# Altium PCB I2C_Jog_Controller - host_module.pcbdoc (part 4 of 5) (continued)
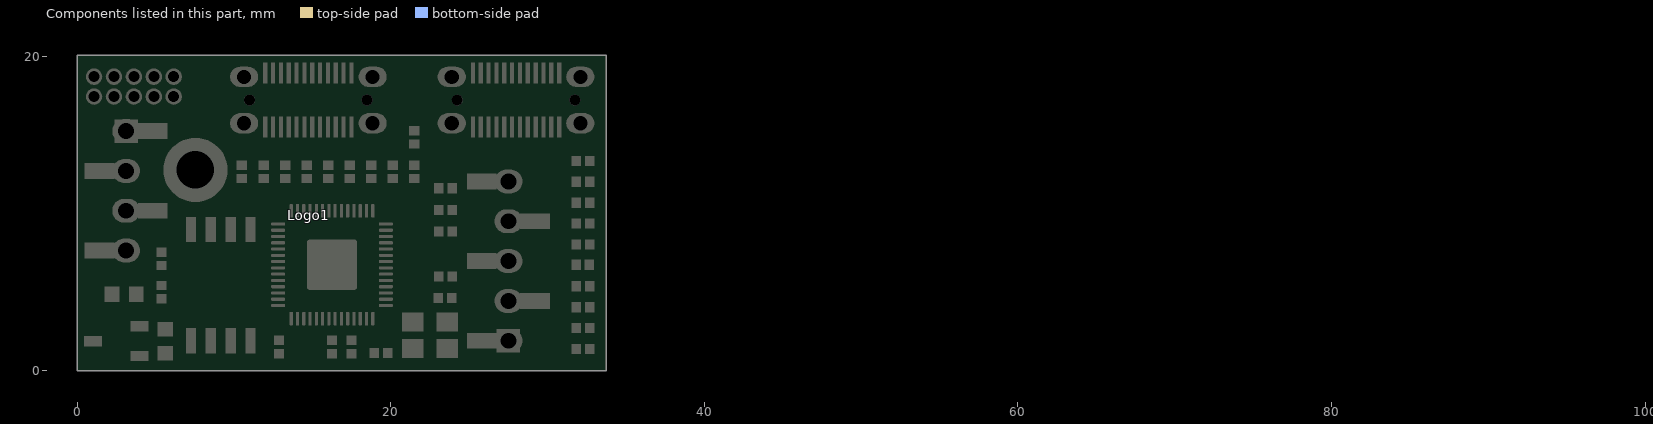
[diagram p6: the components of this part, seen from the top]
## Footprints (in the part's own frame and the unit in brackets; to place one, negate y for a bottom-side part, rotate by r counter-clockwise, add the part's x,y. Pads: shape width x height; smd on the part's side, far side on the other; paste and mask are expansions set on the pad) (continued)
1(-44190.57,-43609.46) 1(-44189.24,-43609.91) 1(-44189.24,-43609.91) 1(-44189.24,-43548.16) 1(-44189.24,-43548.16) 1(-44187.91,-43611.24) 1(-44187.91,-43611.24) 1(-44186.55,-43611.69) 1(-44186.55,-43611.69) 1(-44186.1,-43547.74) 1(-44186.1,-43547.74) 1(-44184.77,-43613.48) 1(-44184.77,-43613.48) 1(-44182.99,-43546.38) 1(-44182.99,-43546.38) 1(-44181.21,-43615.71) 1(-44181.21,-43615.71) 1(-44179.84,-43616.17) 1(-44179.84,-43616.17) 1(-44179.84,-43545.93) 1(-44179.84,-43545.93) 1(-44179.38,-43617.08) 1(-44179.38,-43617.08) 1(-44178.06,-43617.49) 1(-44178.06,-43617.49) 1(-44177.61,-43618.4) 1(-44177.61,-43618.4) 1(-44177.61,-43576.82) 1(-44177.61,-43576.82) 1(-44177.15,-43577.69) 1(-44177.15,-43577.69) 1(-44176.73,-43544.6) 1(-44176.73,-43544.6) 1(-44176.28,-43618.86) 1(-44176.28,-43618.86) 1(-44176.28,-43577.69) 1(-44176.28,-43577.69) 1(-44175.82,-43619.73) 1(-44175.82,-43619.73) 1(-44174.5,-43620.19) 1(-44174.5,-43620.19) 1(-44174.04,-43621.1) 1(-44174.04,-43621.1) 1(-44173.59,-43544.15) 1(-44173.59,-43544.15) 1(-44172.68,-43621.55) 1(-44172.68,-43621.55) 1(-44172.26,-43622.42) 1(-44172.26,-43622.42) 1(-44172.26,-43582.17) 1(-44172.26,-43582.17) 1(-44171.35,-43582.17) 1(-44171.35,-43582.17) 1(-44170.9,-43622.88) 1(-44170.9,-43622.88) 1(-44170.44,-43623.79) 1(-44170.44,-43623.79) 1(-44169.57,-43584.4) 1(-44169.57,-43584.4) 1(-44169.11,-43624.21) 1(-44169.11,-43624.21) 1(-44169.11,-43542.36) 1(-44169.11,-43542.36) 1(-44168.66,-43584.4) 1(-44168.66,-43584.4) 1(-44167.33,-43626.02) 1(-44167.33,-43626.02) 1(-44165.97,-43626.44) 1(-44165.97,-43626.44) 1(-44165.97,-43587.55) 1(-44165.97,-43587.55) 1(-44165.97,-43541.91) 1(-44165.97,-43541.91) 1(-44165.1,-43587.55) 1(-44165.1,-43587.55) 1(-44164.18,-43628.26) 1(-44164.18,-43628.26) 1(-44162.86,-43628.68) 1(-44162.86,-43628.68) 1(-44162.86,-43540.58) 1(-44162.86,-43540.58) 1(-44162.41,-43629.59) 1(-44162.41,-43629.59) 1(-44161.95,-43591.11) 1(-44161.95,-43591.11) 1(-44161.08,-43630.04) 1(-44161.08,-43630.04) 1(-44161.08,-43591.11) 1(-44161.08,-43591.11) 1(-44159.71,-43540.13) 1(-44159.71,-43540.13) 1(-44159.71,-43631.37) 1(-44159.71,-43631.37) 1(-44159.71,-43570.53) 1(-44159.71,-43570.53) 1(-44158.39,-43594.26) 1(-44158.39,-43594.26) 1(-44158.39,-43539.22) 1(-44158.39,-43539.22) 1(-44158.39,-43631.82) 1(-44158.39,-43631.82) 1(-44157.48,-43594.26) 1(-44157.48,-43594.26) 1(-44156.6,-43633.6) 1(-44156.6,-43633.6) 1(-44155.24,-43634.06) 1(-44155.24,-43634.06) 1(-44153.46,-43635.84) 1(-44153.46,-43635.84) 1(-44153.46,-43538.34) 1(-44153.46,-43538.34) 1(-44153,-43599.18) 1(-44153,-43599.18) 1(-44152.13,-43599.18) 1(-44152.13,-43599.18) 1(-44152.13,-43636.3) 1(-44152.13,-43636.3) 1(-44151.68,-43637.2) 1(-44151.68,-43637.2) 1(-44150.77,-43600.97) 1(-44150.77,-43600.97) 1(-44150.32,-43637.62) 1(-44150.32,-43637.62) 1(-44150.32,-43536.98) 1(-44150.32,-43536.98) 1(-44149.9,-43600.97) 1(-44149.9,-43600.97) 1(-44148.98,-43638.99) 1(-44148.98,-43638.99) 1(-44148.07,-43566.51) 1(-44148.07,-43566.51) 1(-44147.66,-43639.44) 1(-44147.66,-43639.44) 1(-44147.2,-43640.31) 1(-44147.2,-43640.31) 1(-44147.2,-43604.08) 1(-44147.2,-43604.08) 1(-44147.2,-43536.56) 1(-44147.2,-43536.56) 1(-44146.3,-43604.08) 1(-44146.3,-43604.08) 1(-44145.84,-43640.77) 1(-44145.84,-43640.77) 1(-44145.84,-43605.44) 1(-44145.84,-43605.44) 1(-44145.42,-43605.44) 1(-44145.42,-43605.44) 1(-44144.51,-43642.1) 1(-44144.51,-43642.1) 1(-44144.05,-43535.2) 1(-44144.05,-43535.2) 1(-44143.19,-43642.55) 1(-44143.19,-43642.55) 1(-44143.19,-43608.13) 1(-44143.19,-43608.13) 1(-44142.28,-43608.13) 1(-44142.28,-43608.13) 1(-44141.82,-43564.73) 1(-44141.82,-43564.73) 1(-44141.37,-43644.33) 1(-44141.37,-43644.33) 1(-44140.95,-43534.74) 1(-44140.95,-43534.74) 1(-44140.04,-43644.79) 1(-44140.04,-43644.79) 1(-44138.71,-43646.15) 1(-44138.71,-43646.15) 1(-44137.8,-43533.42) 1(-44137.8,-43533.42) 1(-44137.35,-43646.57) 1(-44137.35,-43646.57) 1(-44136.89,-43647.48) 1(-44136.89,-43647.48) 1(-44136.89,-43562.49) 1(-44136.89,-43562.49) 1(-44135.57,-43647.93) 1(-44135.57,-43647.93) 1(-44135.57,-43615.26) 1(-44135.57,-43615.26) 1(-44134.66,-43615.26) 1(-44134.66,-43615.26) 1(-44134.66,-43532.96) 1(-44134.66,-43532.96) 1(-44133.78,-43649.71) 1(-44133.78,-43649.71) 1(-44132.42,-43650.17) 1(-44132.42,-43650.17) 1(-44132,-43651.04) 1(-44132,-43651.04) 1(-44131.55,-43531.63) 1(-44131.55,-43531.63) 1(-44131.1,-43619.31) 1(-44131.1,-43619.31) 1(-44130.64,-43651.5) 1(-44130.64,-43651.5) 1(-44130.64,-43560.71) 1(-44130.64,-43560.71) 1(-44130.19,-43619.31) 1(-44130.19,-43619.31) 1(-44128.85,-43653.28) 1(-44128.85,-43653.28) 1(-44128.4,-43531.18) 1(-44128.4,-43531.18) 1(-44127.53,-43653.73) 1(-44127.53,-43653.73) 1(-44127.08,-43530.27) 1(-44127.08,-43530.27) 1(-44126.62,-43655.1) 1(-44126.62,-43655.1) 1(-44125.71,-43624.21) 1(-44125.71,-43624.21) 1(-44125.71,-43558.47) 1(-44125.71,-43558.47) 1(-44125.29,-43655.52) 1(-44125.29,-43655.52) 1(-44124.84,-43656.42) 1(-44124.84,-43656.42) 1(-44124.84,-43624.21) 1(-44124.84,-43624.21) 1(-44123.93,-43529.85) 1(-44123.93,-43529.85) 1(-44123.47,-43656.88) 1(-44123.47,-43656.88) 1(-44123.06,-43657.75) 1(-44123.06,-43657.75) 1(-44121.69,-43658.21) 1(-44121.69,-43658.21) 1(-44121.24,-43659.11) 1(-44121.24,-43659.11) 1(-44120.82,-43628.68) 1(-44120.82,-43628.68) 1(-44119.91,-43659.57) 1(-44119.91,-43659.57) 1(-44119.91,-43628.68) 1(-44119.91,-43628.68) 1(-44119.46,-43660.44) 1(-44119.46,-43660.44) 1(-44119.46,-43556.69) 1(-44119.46,-43556.69) 1(-44119.46,-43528.04) 1(-44119.46,-43528.04) 1(-44118.13,-43660.9) 1(-44118.13,-43660.9) 1(-44116.34,-43662.68) 1(-44116.34,-43662.68) 1(-44116.34,-43527.62) 1(-44116.34,-43527.62) 1(-44114.99,-43663.13) 1(-44114.99,-43663.13) 1(-44114.53,-43554.45) 1(-44114.53,-43554.45) 1(-44114.11,-43634.97) 1(-44114.11,-43634.97) 1(-44113.2,-43664.92) 1(-44113.2,-43664.92) 1(-44113.2,-43634.97) 1(-44113.2,-43634.97) 1(-44111.88,-43525.8) 1(-44111.88,-43525.8) 1(-44111.87,-43665.37) 1(-44111.87,-43665.37) 1(-44110.06,-43667.15) 1(-44110.06,-43667.15) 1(-44109.18,-43639.44) 1(-44109.18,-43639.44) 1(-44108.73,-43667.61) 1(-44108.73,-43667.61) 1(-44108.73,-43525.38) 1(-44108.73,-43525.38) 1(-44108.27,-43668.52) 1(-44108.27,-43668.52) 1(-44108.27,-43639.44) 1(-44108.27,-43639.44) 1(-44106.95,-43668.93) 1(-44106.95,-43668.93) 1(-44106.49,-43669.84) 1(-44106.49,-43669.84) 1(-44105.58,-43524.02) 1(-44105.58,-43524.02) 1(-44105.16,-43670.3) 1(-44105.16,-43670.3) 1(-44104.71,-43671.17) 1(-44104.71,-43671.17) 1(-44103.35,-43671.63) 1(-44103.35,-43671.63) 1(-44102.93,-43672.53) 1(-44102.93,-43672.53) 1(-44102.47,-43523.56) 1(-44102.47,-43523.56) 1(-44101.56,-43672.99) 1(-44101.56,-43672.99) 1(-44101.11,-43673.86) 1(-44101.11,-43673.86) 1(-44101.11,-43522.69) 1(-44101.11,-43522.69) 1(-44100.24,-43549.98) 1(-44100.24,-43549.98) 1(-44099.78,-43674.32) 1(-44099.78,-43674.32) 1(-44099.33,-43675.22) 1(-44099.33,-43675.22) 1(-44098,-43675.64) 1(-44098,-43675.64) 1(-44098,-43650.17) 1(-44098,-43650.17) 1(-44098,-43548.62) 1(-44098,-43548.62) 1(-44098,-43522.23) 1(-44098,-43522.23) 1(-44097.54,-43676.55) 1(-44097.54,-43676.55) 1(-44097.09,-43650.17) 1(-44097.09,-43650.17) 1(-44096.22,-43677.01) 1(-44096.22,-43677.01) 1(-44095.77,-43677.88) 1(-44095.77,-43677.88) 1(-44095.77,-43548.16) 1(-44095.77,-43548.16) 1(-44094.86,-43520.91) 1(-44094.86,-43520.91) 1(-44094.4,-43678.34) 1(-44094.4,-43678.34) 1(-44093.52,-43546.84) 1(-44093.52,-43546.84) 1(-44092.62,-43680.12) 1(-44092.62,-43680.12) 1(-44092.62,-43655.1) 1(-44092.62,-43655.1) 1(-44091.75,-43655.1) 1(-44091.75,-43655.1) 1(-44091.75,-43520.45) 1(-44091.75,-43520.45) 1(-44091.29,-43680.57) 1(-44091.29,-43680.57) 1(-44090.84,-43681.48) 1(-44090.84,-43681.48) 1(-44090.38,-43519.54) 1(-44090.38,-43519.54) 1(-44089.51,-43681.93) 1(-44089.51,-43681.93) 1(-44089.05,-43682.81) 1(-44089.05,-43682.81) 1(-44087.69,-43683.26) 1(-44087.69,-43683.26) 1(-44087.27,-43684.17) 1(-44087.27,-43684.17) 1(-44085.91,-43684.59) 1(-44085.91,-43684.59) 1(-44085.45,-43518.67) 1(-44085.45,-43518.67)